# Altium PCB PCB - v4.PcbDoc (part 2 of 2)
Units mm, origin at the board's own origin, x right, y up, seen from the top; angles counter-clockwise.
Board outline 110.49 x 52.83 mm, 4 copper layers (Top Layer, Int1 (GND), Int2 (PWR), Bottom Layer), stack 1.369 mm thick; 176 components, 118 nets, 735 pads, 435 vias.
Unrouted connection lines stored in the file: 1.
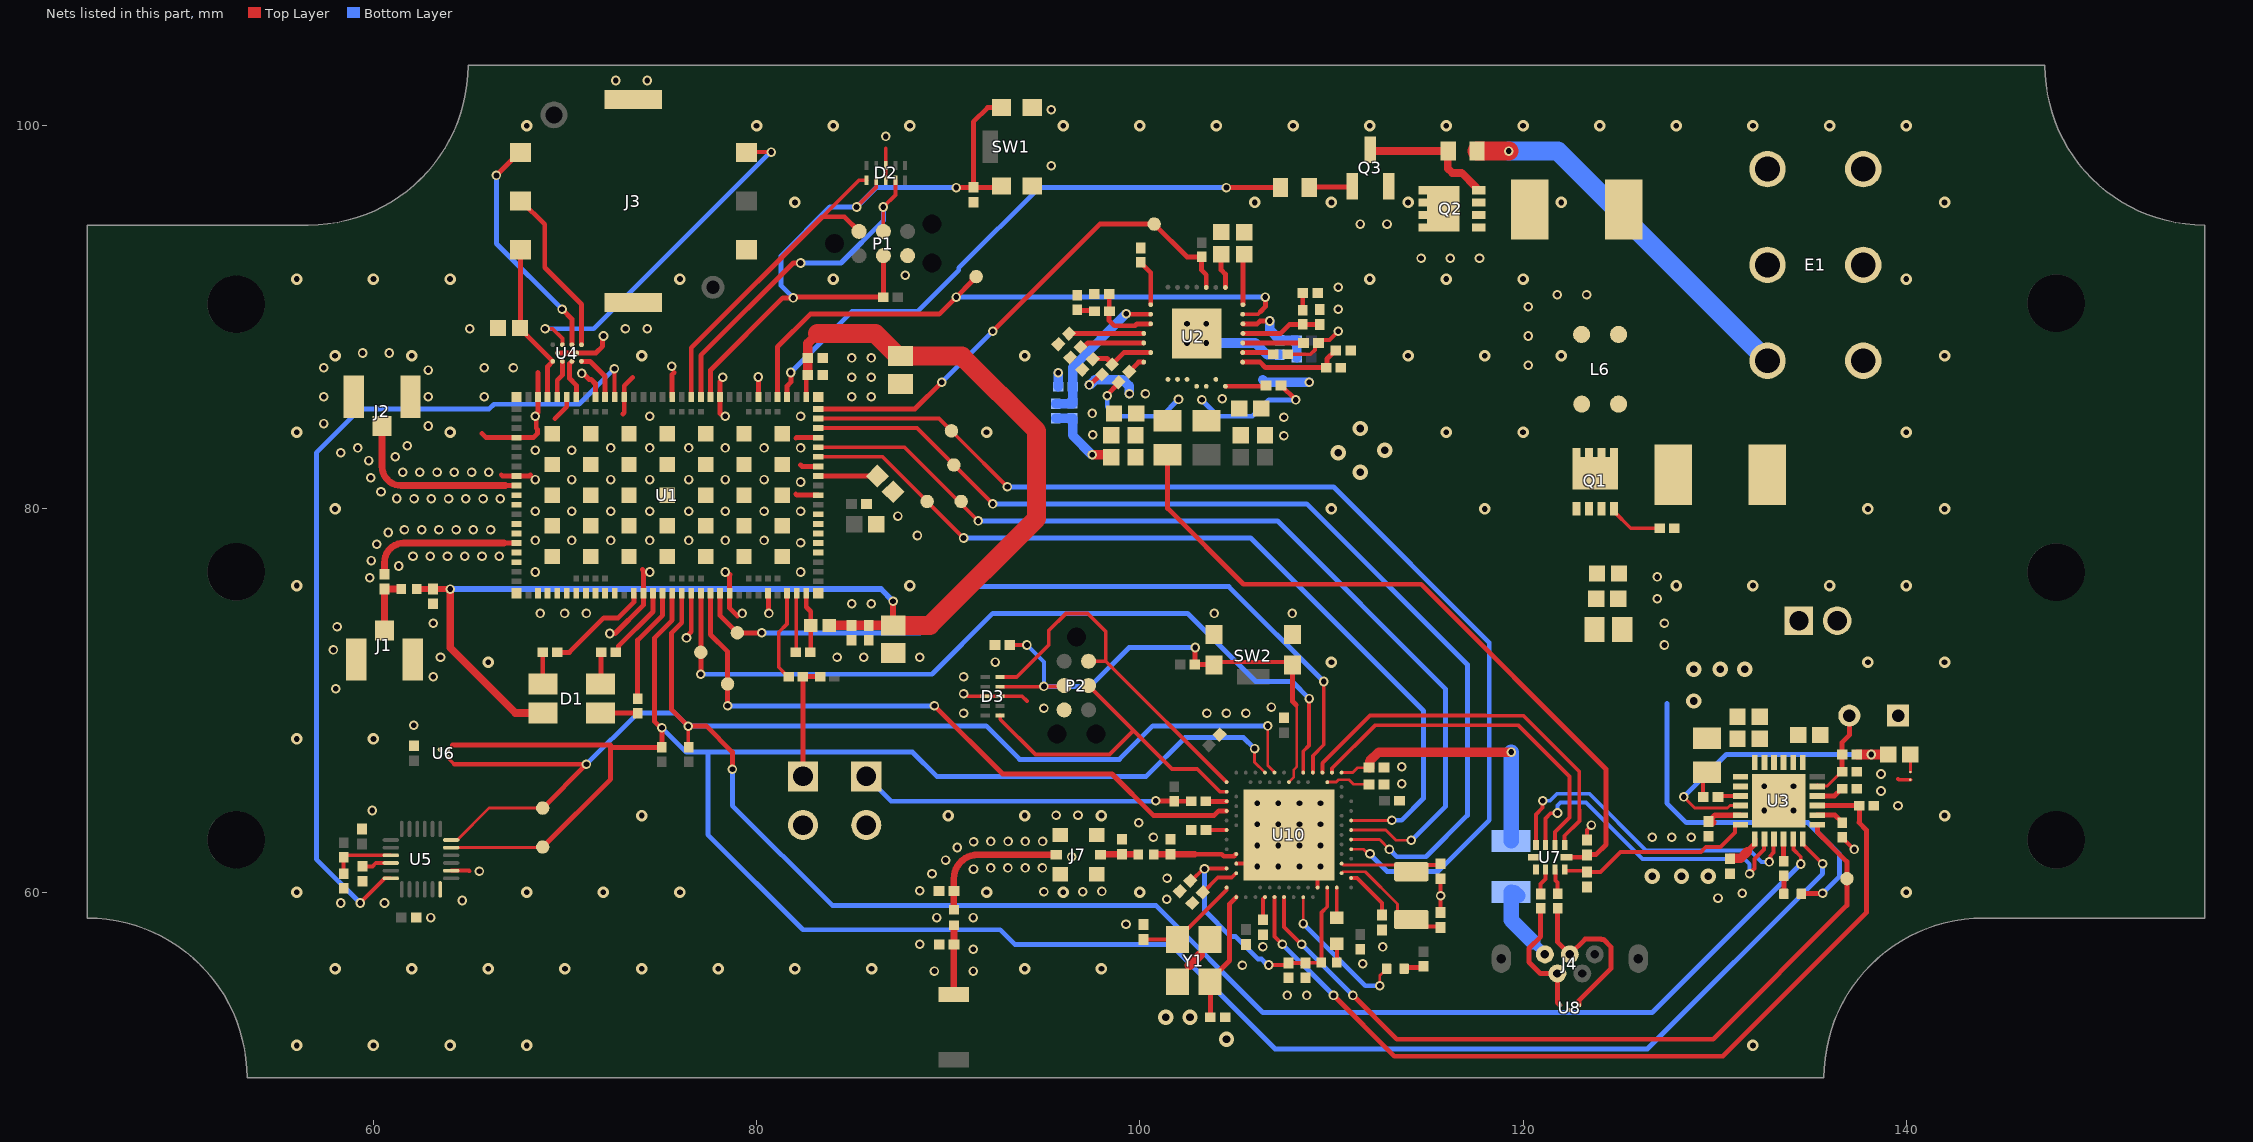
[diagram p4: the nets of this part, all layers, seen from the top]

## Via types
v1: diameter 0.5, hole 0.3, Top Layer to Bottom Layer, 321 vias
v2: diameter 0.6, hole 0.3, Top Layer to Bottom Layer, 100 vias
v3: diameter 0.8, hole 0.4, Top Layer to Bottom Layer, 14 vias

## Nets (pads, with @x,y where several pads share a name; then routed paths per layer and width w, separated by ;. In a path a pad name is that pad's centre, name@x,y a point inside that pad or via, vN(x,y) a via of type N, cw(c..) or ccw(c..) an arc to the next point about the centre after c; other vN are vias at no path point) (continued)
+3v3: C2.2 C3.2 C4.2 C5.1 C10.2 C11.2 C12.2 C17.2 C20.2 C70.2 C71.2 D1.2 FB1.1 L1.2 L2.2 R4.2 U1.22 U7.10 | length 112.3
  Top Layer w0.254: U1.22@82.593,85.841 82.593,86.92 C12.2@82.668,86.995 ; FB1.1@83.791,73.914 FB1.1@83.8,73.923 ; C2.2@87.131,73.923 C2.2@87.134,73.926 ; L2.2@101.452,82.829 101.452,80.031 105.41,76.073 114.681,76.073 124.333,66.421 124.333,62.484 123.823,61.974 C20.2@123.363,61.974 ; U7.10@122.262,61.821 123.209,61.821 C20.2@123.363,61.974 ; C20.2@123.331,61.943 C20.2@123.363,61.974
  Top Layer w0.3: L1.2@62.254,75.819 62.259,75.824 C5.1@62.992,75.824 ; C5.1@63.119,75.824 64.003,75.824 v1(64.008,75.819) ; v1(87.122,75.184) 87.122,73.937 C2.2@87.134,73.926
  Top Layer w0.4: v1(64.008,75.819) 64.008,72.751 67.405,69.354 D1.2@68.858,69.354
  Top Layer w0.5: C12.2@82.668,86.995 C11.2@82.668,87.884 82.668,88.637 83.185,89.154 ; FB1.1@83.8,73.923 C4.2@84.964,73.923 C3.2@85.853,73.923 C2.2@87.131,73.923 ; v1(97.515,82.825) 98.338,82.825 C71.2@98.467,82.697
  Top Layer w1: 83.185,89.154 86.198,89.154 87.378,87.974 C10.2@87.503,87.974 90.715,87.974 94.615,84.074 94.615,79.502 89.039,73.926 C2.2@87.134,73.926
  Bottom Layer w0.3: v1(64.008,75.819) 86.487,75.819 v1(87.122,75.184)
  Bottom Layer w0.5: R4.2@95.603,84.743 95.603,84.73 C17.2@96.499,84.73 96.499,83.841 v1(97.515,82.825)
+12: C13.2 C15.2 C67.2 C73.2 Q1.1 Q1.2 Q1.3 U3.23 | length 1.8
  Top Layer w0.28: C73.2@129.692,63.692 130.02,64.02 U3.23@131.35,64.02 U3.23@131.34,64.01
  Top Layer w0.35: C73.2@129.921,63.636 C73.2@129.921,63.656
  Top Layer w0.5: C73.2@129.692,63.692 C73.2@129.701,63.683
AGND: C24.2 ST1.2 | length 0.9
  Top Layer w0.15: ST1.2@140.216,66.272 C24.2@140.215,67.183 C24.2@140.215,67.183
B\M\_\E\N\: R31.2 U3.9 U10.A16 | length 46.6
  Top Layer w0.2: U10.A16@107.031,59.741 107.031,57.688 v1(107.442,57.277)
  Top Layer w0.254: v1(110.109,54.61) 113.284,51.435 130.429,51.435 137.922,58.928 137.922,63.246 137.541,63.627 137.553,63.639 R31.2@137.553,64.516 137.551,64.518 135.352,64.518 U3.9@135.35,64.52
  Bottom Layer w0.254: v1@107.444,57.275 v1(110.109,54.61)
"BCK P_GOOD": R14.1 TP15.1 U1.20 U2.24 | length 26.4
  Top Layer w0.254: U1.20@83.213,85.221 88.269,85.221 v1(89.662,86.614) ; v1(92.329,89.281) 97.917,94.869 TP15.1@100.749,94.869 102.465,93.153 R14.1@103.224,93.153 103.224,92.467 103.468,92.223 U2.24@103.468,91.562
  Bottom Layer w0.254: v1(89.662,86.614) v1(92.329,89.281)
BCK_CMP1: C23.1 C27.2 U2.3 | length 3.7
  Top Layer w0.254: C23.1@98.409,90.323 C27.2@98.409,91.207 ; C23.1@98.413,90.318 98.4,90.305 98.4,89.826 98.665,89.56 99.749,89.56 99.851,89.662 U2.3@100.568,89.662
BCK_CMP2: C33.2 R18.2 U2.18 | length 4.2
  Top Layer w0.254: U2.18@105.383,89.162 107.349,89.162 107.822,89.635 108.497,89.635 R18.2@108.502,89.63 108.505,89.627 109.388,89.627 C33.2@109.391,89.624
BCK_EN1: C25.2 R5.1 U2.6 | length 3.4
  Top Layer w0.254: C25.2@97.554,87.821 97.568,87.835 97.756,87.835 97.776,87.855 98.29,87.855 98.489,87.656 98.649,87.656 R5.1@98.68,87.687 ; R5.1@98.663,87.656 99.169,88.162 U2.6@100.568,88.162
BCK_EN2: C30.2 R9.1 U2.15 | length 5.6
  Top Layer w0.254: U2.15@105.368,87.662 106.278,87.662 106.558,87.382 109.728,87.382 R9.1@109.734,87.376 109.767,87.409 109.767,87.825 110.207,88.265 C30.2@110.227,88.265
BCK_FB1: C17.1 R4.1 R6.2 U2.2 | length 8
  Top Layer w0.254: v1(99.293,90.191) 99.322,90.162 U2.2@100.568,90.162
  Bottom Layer w0.5: R4.1@95.603,85.493 96.489,85.493 96.499,85.503 C17.1@96.499,85.51 R6.2@96.499,86.381 96.499,87.397 v1(99.293,90.191)
BCK_FB2: C32.1 R11.1 R16.2 U2.19 | length 4.5
  Top Layer w0.254: U2.19@105.383,89.662 106.13,89.662 106.278,89.81 v1(106.786,89.81)
  Bottom Layer w0.5: v1(106.786,89.81) 106.786,89.332 107.295,88.823 R16.2@107.295,88.798 107.295,88.794 C32.1@108.183,88.794 108.186,88.791 108.186,87.905 R11.1@108.189,87.905
BCK_RLIM1: R8.2 U2.5 | length 3.4
  Top Layer w0.254: R8.2@96.897,88.446 97.071,88.446 97.287,88.662 U2.5@100.208,88.662
BCK_RLIM2: R10.2 U2.16 | length 1.5
  Top Layer w0.254: U2.16@105.368,88.162 106.91,88.162 R10.2@106.913,88.159
BCK_SS1: C26.2 U2.4 | length 3.9
  Top Layer w0.254: C26.2@96.306,89.151 96.321,89.165 97.144,89.165 97.147,89.162 U2.4@100.208,89.162
BCK_SS2: C31.2 U2.17 | length 3.2
  Top Layer w0.254: U2.17@105.373,88.667 C31.2@108.546,88.667
BCK_SW1: C16.2 L2.1 U2.9 U2.10 | length 5.8
  Top Layer w0.254: v1(98.298,85.913) 98.298,85.967 98.89,86.559 C16.2@98.89,86.613
  Bottom Layer w0.254: v1(98.298,85.913) 98.298,85.344 98.806,84.836 101.14,84.836 v1(102.02,85.715)
BCK_SW2: C28.2 L4.1 U2.11 U2.12 | length 6.7
  Top Layer w0.254: C28.2@107.372,86.433 107.392,86.433 108.133,85.692 v1(108.139,85.692)
  Bottom Layer w0.254: v1(103.243,85.703) 103.243,85.686 104.093,84.836 105.876,84.836 106.732,85.692 v1(108.139,85.692)
BLE_ANT: ANT1.1 C55.2 L9.2 | length 3.6
  Top Layer w0.35: ANT1.1@90.297,54.659 90.297,57.277 C55.2@90.306,57.277 90.306,58.269 L9.2@90.297,58.269
BLE_PI1: C53.2 J7.2 L8.2 | length 2
  Top Layer w0.35: J7.2@97.958,61.956 cw(c97.977,61.956) 97.977,61.976 C53.2@99.06,61.976 L8.2@99.925,61.976
BLE_PI2: C54.2 J7.1 L9.1 | length 7.7
  Top Layer w0.35: L9.1@90.297,59.079 C54.2@90.297,60.071 90.297,60.706 cw(c91.547,60.706) 91.547,61.956 J7.1@95.637,61.956
BLE_PIN: C52.2 L8.1 U10.H23 | length 4.4
  Top Layer w0.25: 102.87,61.976 104.28,61.976 104.38,61.876 104.916,61.876 U10.H23@105.016,61.976
  Top Layer w0.35: L8.1@100.735,61.976 102.87,61.976
Blue_LED: R24.1 U1.87 | length 6
  Top Layer w0.254: R24.1@73.787,70.098 73.787,73.152 75.093,74.458 U1.87@75.093,75.601
BM_INT: TP14.1 U3.7 U10.A14 | length 41.1
  Top Layer w0.2: U10.A14@107.531,59.741 107.531,58.188 v1(108.442,57.277)
  Top Layer w0.254: v1(111.125,54.61) 113.411,52.324 129.921,52.324 136.906,59.309 TP14.1@136.906,60.706 136.906,61.595 135.363,63.138 135.363,63.507 U3.7@135.35,63.52
  Bottom Layer w0.254: v1(108.442,57.277) 111.109,54.61 v1(111.125,54.61)
BM_REGN: C24.1 R13.2 U3.22 | length 15.6
  Top Layer w0.15: v1(128.393,64.971) 128.963,64.401 130.678,64.401 130.797,64.52 U3.22@131.35,64.52
  Top Layer w0.5: R13.2@137.408,67.183 v1(138.176,67.183) C24.1@139.065,67.183
  Bottom Layer w0.254: v1(128.393,64.971) 130.604,67.183 v1(138.176,67.183)
BM_SW: C18.2 L3.1 U3.19 U3.20 | length 1.4
  Top Layer w0.2: C18.2@129.401,64.968 129.401,66.064 L3.1@129.598,66.261
BM_TS: R13.1 R15.2 R27.2 U3.11 | length 4.7
  Top Layer w0.15: U3.11@135.373,65.543 135.882,65.543 R15.2@136.633,66.294
  Top Layer w0.254: U3.11@135.35,65.52 U3.11@135.373,65.543 ; R15.2@136.633,66.294 R15.2@136.658,66.294 R13.1@136.658,67.183 136.658,67.824 137.033,68.199 R27.2@137.033,69.215
COEX0: TP4.1 U1.93 U10.AD8 | length 41.1
  Top Layer w0.2: U10.AD8@109.031,66.241 109.031,67.121 109.601,67.691 v1(109.601,70.993)
  Top Layer w0.254: U1.93@78.093,75.601 78.093,74.434 TP4.1@78.994,73.533 v1(80.264,73.533)
  Bottom Layer w0.254: v1(80.264,73.533) 88.519,73.533 90.932,75.946 104.648,75.946 v1(109.601,70.993)
COEX1: TP3.1 U1.92 U10.U24 | length 34.8
  Top Layer w0.254: U1.92@77.593,75.601 77.593,73.445 78.486,72.552 TP3.1@78.486,70.866 v1(78.486,69.723) ; v1(89.281,69.723) 92.837,66.167 98.549,66.167 100.708,64.008 103.886,64.008 104.119,64.241 U10.U24@104.531,64.241
  Bottom Layer w0.254: v1(78.486,69.723) v1(89.281,69.723)
COEX2: TP1.1 U1.91 U10.AD10 | length 43.1
  Top Layer w0.2: U10.AD10@108.531,66.241 108.531,67.354 108.839,67.662 v1(108.839,70.104)
  Top Layer w0.254: v1(77.089,71.374) TP1.1@77.089,72.517 77.091,72.519 77.091,75.599 U1.91@77.093,75.601
  Bottom Layer w0.254: v1(77.089,71.374) 89.154,71.374 92.329,74.549 102.489,74.549 106.045,70.993 107.95,70.993 v1(108.839,70.104)
CTS_INT_MCU: TP7.1 U1.16 U10.N1 | length 50
  Top Layer w0.15: U10.N1@111.031,63.241 112.838,63.241 113.371,62.708 v1(114.163,62.708)
  Top Layer w0.2: U1.16@83.213,83.221 87.721,83.221 v1(91.567,79.375)
  Bottom Layer w0.254: v1(91.567,79.375) 107.188,79.375 115.951,70.612 115.951,64.456 114.203,62.708 v1(114.163,62.708)
D_BM_N: U3.3 U7.4 | length 17.2
  Top Layer w0.2: U7.4@120.672,62.461 120.672,64.061 121.017,64.406 121.017,64.756 v1(121.031,64.77) ; v1(132.854,61.577) 132.91,61.632 132.91,61.899 133.079,62.068 133.079,62.47 133.1,62.491 U3.3@133.1,62.77
  Bottom Layer w0.2: v1(121.031,64.77) 121.033,64.772 121.407,64.772 121.769,65.134 123.468,65.134 126.426,62.176 131.843,62.176 132.443,61.577 v1(132.854,61.577)
D_BM_P: U3.2 U7.3 | length 16.6
  Top Layer w0.2: U7.3@121.172,62.461 121.172,63.854 121.435,64.116 121.786,64.116 v1(121.799,64.13) ; v1(131.826,60.96) 131.826,60.973 132.08,61.227 132.08,61.722 132.577,62.219 132.577,62.747 U3.2@132.6,62.77
  Bottom Layer w0.2: v1(121.799,64.13) 121.792,64.137 121.792,64.515 121.957,64.68 123.28,64.68 126.238,61.722 131.565,61.722 131.826,61.461 v1(131.826,60.96)
D_CONN_N: J4.2 R25.1 U8.3 | length 6.5
  Top Layer w0.254: R25.1@120.918,59.155 120.918,57.672 120.304,57.058 120.304,56.353 120.904,55.753 J4.2@121.793,55.753 121.793,54.235 U8.3@121.928,54.1
D_CONN_P: J4.3 R26.1 U8.2 | length 9
  Top Layer w0.254: R26.1@121.807,59.161 121.807,57.389 J4.3@122.443,56.753 123.24,57.55 124.073,57.55 124.092,57.531 124.206,57.531 124.587,57.15 124.587,56.007 122.928,54.348 U8.2@122.928,54.1
D_MCU_N: U7.2 U10.AD4 | length 18.5
  Top Layer w0.2: U10.AD4@110.031,66.241 110.031,66.47 112.268,68.707 119.761,68.707 122.428,66.04 122.428,63.904 121.672,63.149 U7.2@121.672,62.461
D_MCU_P: U7.1 U10.AD6 | length 20.3
  Top Layer w0.2: U10.AD6@109.531,66.241 109.531,66.732 112.014,69.215 118.055,69.215 118.063,69.207 120.023,69.207 122.936,66.294 122.936,64.3 122.944,64.293 122.944,63.713 122.172,62.942 U7.1@122.172,62.461
D_N: R25.2 U7.7 | length 1.4
  Top Layer w0.2: R25.2@120.918,59.905 120.918,60.427 121.172,60.681 U7.7@121.172,61.181
D_P: R26.2 U7.8 | length 1.3
  Top Layer w0.2: U7.8@121.672,61.181 121.687,61.166 121.687,60.616 121.807,60.496 R26.2@121.807,59.911
DSEL: C29.2 U3.24 U7.9 | length 10.5
  Top Layer w0.2: U7.9@122.172,61.181 122.172,61.167 122.222,61.117 123.268,61.117 C29.2@123.331,61.054 124.046,61.054 125.093,62.101 129.284,62.101 129.54,62.357 130.302,62.357 131.063,63.118 131.063,63.47 131.113,63.52 U3.24@131.35,63.52
EMI_C2: J3.C2 U4.C1 | length 8.8
  Top Layer w0.254: J3.C2@67.674,96.067 67.724,96.067 68.941,94.85 68.941,92.603 70.862,90.682 U4.C1@70.862,88.573
EMI_C3: J3.C3 U4.C2 | length 12.2
  Top Layer w0.254: v1(66.421,97.409) 66.426,97.409 67.624,98.607 J3.C3@67.674,98.607 ; v1(69.85,90.424) 70.362,89.912 U4.C2@70.362,88.573
  Bottom Layer w0.254: v1(66.421,97.409) 66.421,93.853 v1(69.85,90.424)
EMI_C4: J3.C7 U4.C3 | length 18.3
  Top Layer w0.2: v1(68.961,89.408) 69.342,89.408 69.862,88.888 U4.C3@69.862,88.573 ; J3.C7@79.474,98.607 79.492,98.625 v1(80.762,98.625)
  Bottom Layer w0.254: v1(68.961,89.408) 71.498,89.408 80.715,98.625 v1(80.762,98.625)
GND: C1.1 C2.1 C3.1 C4.1 C5.2 C7.1 C8.1 C9.1 C10.1 C11.1 C12.1 C13.1 C14.1 C15.1 C19.1 C20.1 C21.1 C22.1 C25.1 C26.1 C27.1 C29.1 C30.1 C31.1 C33.1 C34.1 C35.1 C36.1 C37.1 C38.1 C39.1 C40.1 C41.1 C42.1 C43.1 C45.1 C46.1 C47.1 C48.1 C49.1 C50.1 C51.1 C52.1 C53.1 C54.1 C55.1 C56.1 C57.1 C58.1 C59.1 C60.1 C63.1 C64.1 C65.1 C66.1 C67.1 C68.1 C69.1 C70.1 C71.1 C72.1 C73.1 C74.1 C75.1 D2.3 D2.8 D3.3 D3.8 J1.2 J1.3 J2.2 J2.3 J3.C4 J3.C5 J3.C8 J5.2 J7.3 J7.4 J7.5 J7.6 J8.2 J9.2 L6.2 P1.5 P2.5 Q2.5 Q2.6 Q2.7 Q2.8 Q2.9 Q3.2 R3.1 R6.1 R7.2 R8.1 R10.1 R15.1 R16.1 R17.1 R19.1 R21.1 R27.1 R31.1 R33.1 ST1.1 SW1.2 SW1.4 SW2.2 SW2.4 U1.1 U1.5 U1.6 U1.7 U1.8 U1.9 U1.11 U1.14 U1.17 U1.21 U1.27 U1.31 U1.36 U1.41 U1.44 U1.47 U1.50 U1.52 U1.56 U1.60 U1.62 U1.63 U1.65 U1.66 U1.68 U1.69 U1.72 U1.74 U1.75 U1.76 U1.77 U1.78 U1.79 U1.80 U1.81 U1.82 U1.85 U1.90 U1.94 U1.98 U1.103 U2.29 U3.17 U3.18 U3.25 U4.B1 U4.B2 U5.18 U5.20 U6.A2 U7.5 U7.6 U8.1 U10.74 U10.B7 U10.F23 Y1.2 Y1.4 | length 55.3
  Top Layer w0.2: U5.20@64.06,61.122 64.989,61.122 65.024,61.087 ; D2.3@86.741,97.155 D2.8@86.741,97.93 86.741,98.806 ; v1(90.805,70.358) 90.886,70.358 91.021,70.223 D3.3@92.71,70.223 93.861,70.223 94.107,69.977 ; U10.F23@105.031,61.491 105.981,61.491 v1(106.131,61.341) ; R10.1@107.719,88.071 108.914,88.071 109.146,88.303 109.146,88.507 109.306,88.667 C31.1@109.326,88.667 109.483,88.824 109.906,88.824 v1@110.236,89.154 ; U10.B7@109.281,60.241 109.281,61.191 v1(109.431,61.341) ; C50.1@115.697,58.937 v1(115.697,59.817) C51.1@115.697,60.697 ; C20.1@123.331,62.723 123.331,63.244 123.571,63.484 v1(123.571,63.5) ; R33.1@136.652,62.877 136.652,62.852 137.274,62.23 v1(137.287,62.23) ; 139.573,65.913 139.62,65.866 ST1.1@140.216,65.866
  Top Layer w0.254: 65.659,83.947 65.885,83.721 U1.56@67.473,83.721 68.354,83.721 68.562,83.929 68.562,84.152 68.5,84.214 68.5,84.789 v1(68.453,84.836) 68.453,84.903 68.593,85.043 68.593,87.109 68.58,87.122 ; 66.675,81.788 66.741,81.722 U1.60@67.473,81.721 U1.60@67.473,81.721 68.132,81.721 68.199,81.788 ; 69.469,84.709 70.093,85.333 U1.47@70.093,85.841 ; U4.B2@69.612,88.138 71.611,88.138 71.962,88.489 71.962,88.98 v1(72.009,89.027) ; v1(70.872,87.072) 70.938,87.072 71.251,86.759 71.356,86.759 71.593,86.522 U1.44@71.593,85.841 ; v1(72.342,73.501) 72.612,73.501 74.093,74.982 U1.85@74.093,75.601 74.093,76.783 74.041,76.835 ; 73.025,84.963 73.093,85.031 U1.41@73.093,85.841 73.093,86.428 73.533,86.868 ; U1.36@75.593,85.841 75.593,87.023 75.692,87.122 ; v1(76.342,73.271) 76.342,73.338 76.593,73.589 U1.90@76.593,75.601 ; 78.105,84.963 78.093,84.975 78.093,86.662 78.232,86.801 v1(78.232,86.868) ; 78.613,76.581 78.593,76.561 U1.94@78.593,75.601 78.593,74.823 78.994,74.422 ; v1(80.09,86.886) 80.091,86.885 80.091,85.843 U1.27@80.093,85.841 ; U1.98@80.593,75.601 80.616,75.578 80.616,74.578 v1(80.645,74.549) ; 82.042,80.772 82.093,80.721 U1.11@83.213,80.721 ; 82.042,83.693 82.07,83.721 U1.17@83.213,83.721 ; 82.296,82.296 82.371,82.221 U1.14@83.213,82.221
  Top Layer w0.5: Y1.2@101.975,55.325 Y1.2@101.975,55.425 ; 102.594,56.175 103.16,56.741
  Bottom Layer w0.5: v1(95.745,87.109) 95.745,86.381 R6.1@95.749,86.381 ; v2(103.468,88.662) 106.029,88.662 106.643,88.048 R16.1@107.295,88.048
  other v1: 107.696,54.61 108.712,54.61 89.281,55.88 91.313,55.88 105.355,56.186 111.633,56.261 91.313,57.023 106.426,57.15 112.677,57.14 88.519,57.277 99.28,58.32 62.992,58.674 89.408,58.674 91.313,58.674 58.293,59.436 60.579,59.436 64.643,59.563 101.411,59.628 130.175,59.69 131.445,59.944 94.997,60.02 97.023,60.02 98.023,60.039 88.519,60.071 101.423,60.72 89.154,60.96 65.532,61.087 91.32,61.206 92.218,61.264 93.118,61.264 94.018,61.264 94.918,61.264 107.231,61.341 108.331,61.341 89.862,61.672 96.441,61.839 90.477,62.329 106.131,62.441 107.231,62.441 108.331,62.441 109.431,62.441 91.324,62.632 92.224,62.648 93.124,62.648 94.024,62.648 94.924,62.648 100.711,62.865 126.746,62.865 127.762,62.865 128.778,62.865 106.131,63.541 107.231,63.541 108.331,63.541 109.431,63.541 99.949,63.627 95.631,64.008 96.774,64.008 59.944,64.262 132.588,64.262 134.112,64.262 139.573,64.516 106.131,64.641 107.231,64.641 108.331,64.641 109.431,64.641 138.684,65.278 132.588,65.532 134.112,65.532 113.665,65.659 138.684,66.167 113.665,66.548 62.103,68.707 90.805,69.342 103.505,69.342 104.521,69.342 105.537,69.342 94.996,69.596 106.869,69.658 58.039,70.612 63.119,71.247 90.805,71.247 92.456,72.009 63.502,72.261 84.201,72.263 85.598,72.263 88.519,72.263 57.912,72.644 127.381,72.898 58.104,73.849 63.119,74.041 127.381,74.041 68.707,74.549 69.977,74.549 71.12,74.549 79.248,74.549 103.886,74.549 107.95,74.549 84.963,75.057 85.979,75.057 127,75.311 59.805,76.409 127,76.454 68.453,76.708 74.422,76.708 78.359,76.708 82.296,76.708 61.324,77.024 59.887,77.305 62.069,77.529 62.969,77.529 63.869,77.529 64.769,77.529 65.669,77.529 66.569,77.529 60.172,78.159 82.296,78.232 68.453,78.359 70.358,78.359 72.39,78.359 74.422,78.359 76.454,78.359 78.359,78.359 80.391,78.359 88.392,78.613 60.771,78.769 61.618,78.913 62.518,78.913 63.418,78.913 64.318,78.913 65.218,78.913 66.118,78.913 87.376,79.629 68.453,79.883 70.358,79.883 72.39,79.883 74.422,79.883 76.454,79.883 78.359,79.883 80.391,79.883 82.296,79.883 62.124,80.529 63.024,80.529 63.924,80.529 64.824,80.529 65.724,80.529 66.624,80.529 61.224,80.547 60.397,80.901 82.296,81.407 68.453,81.534 70.358,81.534 72.39,81.534 74.422,81.534 76.454,81.534 78.359,81.534 80.391,81.534 59.868,81.63 61.526,81.913 62.426,81.913 63.326,81.913 64.226,81.913 65.126,81.913 66.026,81.913 59.76,82.523 61.144,82.728 58.293,82.931 68.453,83.058 70.358,83.058 59.182,83.185 72.39,83.185 74.422,83.185 76.454,83.185 78.359,83.185 80.391,83.185 82.296,83.185 61.773,83.293 107.52,83.825 97.54,83.866 62.865,84.328 57.404,84.455 107.521,84.79 74.422,84.836 78.359,84.836 82.296,84.836 97.515,84.984 57.404,85.852 62.865,85.852 65.786,85.852 84.963,85.852 85.979,85.852 84.963,86.868 85.979,86.868 62.865,87.249 57.404,87.376 65.786,87.376 67.31,87.376 75.571,87.444 120.269,87.503 84.963,87.884 85.979,87.884 59.436,88.138 60.833,88.138 120.269,89.027 110.363,89.281 65.024,89.408 73.152,89.408 74.295,89.408 110.363,90.424 120.269,90.551 121.793,91.186 123.317,91.186 110.363,91.567 87.757,92.202 114.681,93.091 116.205,93.091 117.729,93.091 111.506,94.869 112.903,94.869 95.377,97.917 86.741,99.441 95.377,100.838 72.644,102.362 74.295,102.362
  other v2: 56,52 60,52 64,52 68,52 132,52 58,56 62,56 66,56 70,56 74,56 78,56 82,56 86,56 94,56 98,56 56,60 68,60 72,60 76,60 92,60 96,60 100,60 140,60 74,64 90,64 94,64 98,64 142,64 56,68 60,68 66,72 110,72 138,72 142,72 56,76 88,76 128,76 132,76 136,76 140,76 58,80 110,80 118,80 138,80 142,80 56,84 64,84 92,84 116,84 120,84 140,84 58,88 62,88 74,88 94,88 114,88 118,88 122,88 142,88 102.468,88.662 102.468,89.662 103.468,89.662 56,92 60,92 64,92 76,92 84,92 112,92 116,92 120,92 140,92 82,96 106,96 110,96 114,96 122,96 142,96 68,100 80,100 84,100 88,100 96,100 100,100 104,100 108,100 112,100 116,100 120,100 124,100 128,100 132,100 136,100 140,100
  other v3: 104.521,52.324 101.346,53.467 102.616,53.467
GPS_RF1: C6.2 U1.67 | length 8.1
  Top Layer w0.254: 66.813,78.221 U1.67@67.473,78.221
  Top Layer w0.35: C6.2@60.579,76.599 60.579,77.216 cw(c61.584,77.216) 61.584,78.221 66.813,78.221
GPS_RF2: C6.1 J1.1 L1.1 | length 3
  Top Layer w0.35: J1.1@60.579,73.661 C6.1@60.579,75.819 L1.1@61.444,75.819
Green_LED: R22.1 U1.86 | length 3.9
  Top Layer w0.254: R22.1@72.638,72.517 72.663,72.517 72.786,72.64 72.786,72.838 74.593,74.645 U1.86@74.593,75.601
H\o\r\n\: R30.1 U1.24 | length 31
  Top Layer w0.254: U1.24@81.593,85.841 81.593,86.419 81.788,86.614 v1(81.788,87.122) ; v1(104.521,96.774) R30.1@107.339,96.774
  Bottom Layer w0.254: v1(81.788,87.122) 84.963,90.297 88.392,90.297 90.551,92.456 90.551,92.583 94.742,96.774 v1(104.521,96.774)
INT_IMU: U1.42 U5.12 | length 45.4
  Top Layer w0.2: v1(59.309,59.436) 60.58,60.707 60.58,60.718 60.583,60.722 U5.12@60.91,60.722 ; v1(72.579,87.314) 72.582,87.311 72.582,85.852 U1.42@72.593,85.841
  Bottom Layer w0.254: v1(59.309,59.436) 57.023,61.722 57.023,82.931 59.313,85.221 66.047,85.221 66.293,85.467 70.732,85.467 v1(72.579,87.314)
"LOW P-MODE": TP16.1 U1.25 U2.20 | length 32.6
  Top Layer w0.2: U2.20@105.368,90.162 106.164,90.162 106.299,90.297
  Top Layer w0.254: U1.25@81.093,85.841 81.093,88.459 82.804,90.17 89.535,90.17 v1(90.424,91.059) 91.241,91.876 91.241,92.003 TP16.1@91.44,92.202 ; 106.299,90.297 106.553,90.551 v1(106.553,91.059)
  Bottom Layer w0.254: v1(90.424,91.059) v1(106.553,91.059)
LTE_RF: J2.1 U1.61 | length 9.7
  Top Layer w0.254: 66.885,81.221 U1.61@67.473,81.221
  Top Layer w0.35: J2.1@60.452,84.328 60.452,82.219 ccw(c61.45,82.219) 61.45,81.221 66.885,81.221
NetC16_1: C16.1 U2.7 | length 1
  Top Layer w0.254: C16.1@99.442,87.165 99.939,87.662 U2.7@100.208,87.662
NetC18_1: C18.1 U3.21 | length 1.2
  Top Layer w0.2: C18.1@130.181,64.968 130.233,65.02 U3.21@131.35,65.02
NetC23_2: C23.2 R7.1 | length 0.9
  Top Layer w0.254: R7.1@96.732,90.394 96.77,90.356 97.595,90.356 C23.2@97.633,90.318
NetC28_1: C28.1 U2.14 | length 2.2
  Top Layer w0.254: U2.14@104.468,86.402 106.562,86.402 C28.1@106.592,86.433 C28.1@106.572,86.433
NetC34_2: C34.2 R18.1 | length 0.9
  Top Layer w0.254: R18.1@108.502,90.38 108.505,90.382 108.505,91.277 C34.2@108.507,91.28
NetC35_2: C35.2 U5.10 | length 1.6
  Top Layer w0.2: C35.2@59.424,61.346 59.949,61.346 60.125,61.522 U5.10@60.91,61.522
NetC50_2: C50.2 U10.D2 Y2.1 | length 6.6
  Top Layer w0.15: U10.D2@110.541,61.001 110.554,61.001 110.619,61.065 111.766,61.065 113.448,59.383 113.448,58.99 113.871,58.567 Y2.1@114.173,58.567
  Top Layer w0.2: Y2.1@114.173,58.567 114.528,58.212 115.642,58.212 C50.2@115.697,58.157